# EAGLE board Mk4 Final Panel 6up 3x2 (EAGLE 9.0.1), part 9 of 18 (continued)
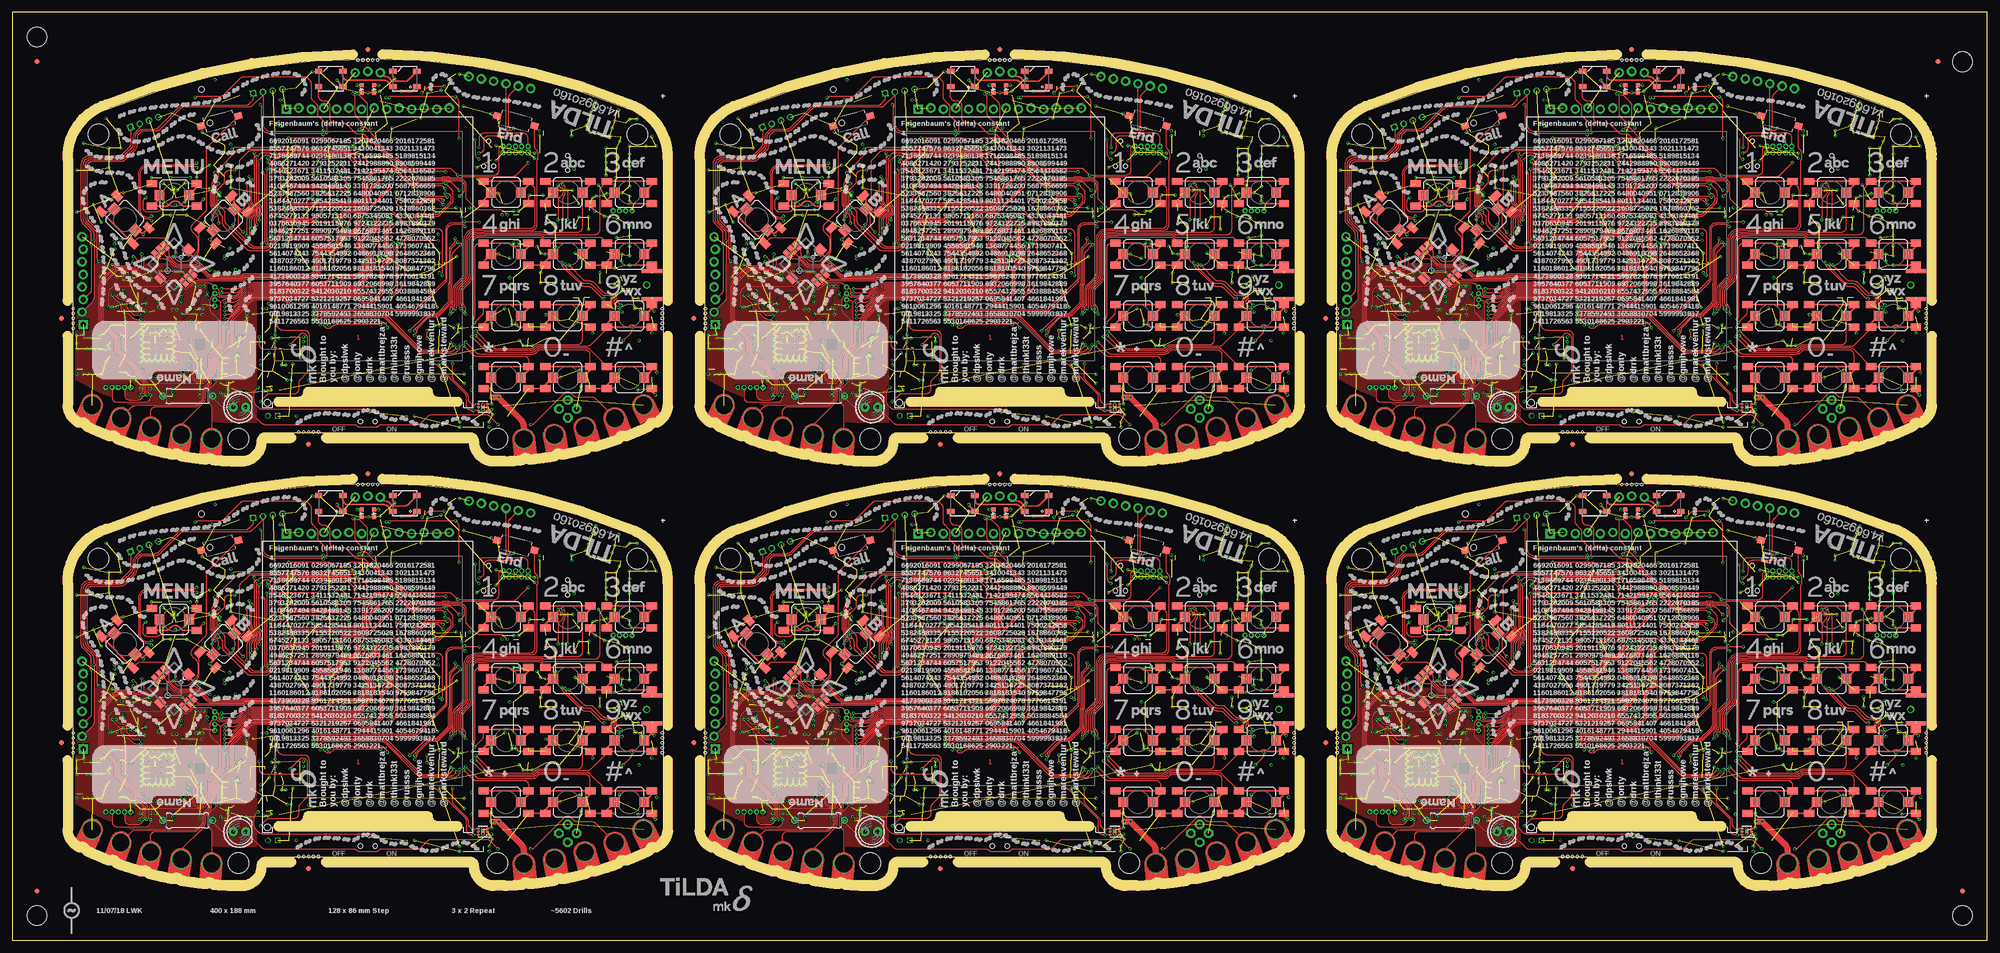
[diagram p0: board, top side]
## Tracks (layer width: path | path; a pad name or v marks a point on that pad's centre or on a via) (continued)
  pour Bottom (no thermals): 177.4,125 177.4,126.1 177.2,126.3 177.2,127.05 177,127.25 175.75,127.25 175.25,126.75 175.25,125.25 175.5,125
  pour Bottom (no thermals): 171.9,112.8 171.9,110.3 arc-90 171.4,109.8 170.45,109.8 arc-90 169.95,110.3 169.95,117.65 arc-90 170.45,118.15 171.55,118.15 arc-90 172.05,117.65 172.05,114.1 arc90 172.55,113.6 173.8,113.6 173.85,113.55 173.85,112.9 173.75,112.8
  pour Top (rank 6): 140.2,137 140.2,114 arc34 177,105 177.5,105 177.5,137
GND4  (via drill 0.3)  (433 unrouted)
  Top 0.15: IC88.3 352.3,22.65 352.25,22.6 IC88.2 | v351.3,21.5 IC88.PAD v351.3,22.5
  Top 0.2: 352.3,22.65 352.95,22.65 v353.05,22.75
  Top 0.3: S91.1 363.95,38.95 S91.A1 | S87.A1 351.45,38.95 S87.1 v353,39 | S88.A1 351.45,26 351.7,25.75 v353,25.75 S88.1 | S96.1 376.45,26.45 S96.A1 | S95.1 385.55,42.05 S95.A1 | 376.45,63.5 376.45,63.95 S93.1 v379.5,65.5 | 376.45,63.5 S93.A1 | S89.A1 363.95,63.95 S89.1 366,66 v367,66 | S85.A1 351.45,63.95 S85.1 354.25,65.5 v354.5,65.25 | S86.A1 351.45,51.45 S86.1 v354.5,53 | 363.95,51 363.95,51.45 S90.1 v364.05,53 | 363.95,51 S90.A1 | S85.A2 360.55,64.8 v360.75,65 | 376.2,63.25 376.45,63.5 | S94.A2 v381,50.75 | v379.5,53 S94.1 376.45,51.45 S94.A1 S90.A2 | 360.5,38.3 S87.A2 358.5,38.25 v358,38.75 | S91.1 365,41 | S96.A2 385.5,25.75 385.5,25.25 v386.25,24.5 | S92.A2 S96.A1 | v367,28 S92.1 363.95,26.45 S92.A1 S88.A2 | S86.A2 363.7,50.75 363.95,51 | S101.1 353.49,81.01 v353,81.5 | LED27.C v328.02,85.75 LED28.C | LED25.3 317.95,90 v316.75,90 | S93.A2 381.91,63.25 arc-45 381.21,63.54 v381,63.75 | 283.61,58.39 S98.A1 282.5,57.27 v282.5,57 281.62,57.88 S98.1 | S98.A2 277.57,65.21 arc-45 278.28,65.5 v278.5,65.5 | S96.A1 v378,25.75 | S89.A2 373.05,62.7 v374,61.75 | S91.1 365.25,40.75 v364,40.75 | S91.A2 373.5,37.8 v373.5,37 | S99.A2 v284.25,68.5 | S99.1 293.35,66.55 S99.A1 v293.35,68.5 | S100.1 294.5,78.72 v294.5,77.75 | S97.A1 296.81,55.19 v296,56 296.68,56.68 S97.1 | v302.5,60.5 303.61,61.61 S97.A2 | LED26.3 333.05,89.36 arc45 333.34,88.66 v333.4,88.6 | S95.A2 377.5,43.8 v377.5,44 | S95.A1 385.55,41.95 v386,41.5 | S95.A1 385.54,42.77 J49.G@4
  Top 0.4: S94.A2 385.54,50.73 J49.G@3
  GND@3 0.4: v290.45,40.85 287.8,38.2 v287.8,37.85 | v285.5,43.5 284.75,42.75 284.75,38.6 v285.5,37.85 | v283,43.1 283.75,42.35 283.75,38.4 v284.3,37.85
  Bottom 0.15: J41.32 324.75,50.25 | J41.31 325.25,50 | J41.30 325.75,50 | J41.29 326.25,50 | J41.28 326.75,50 | J41.27 327.25,50 | J41.26 327.75,50 | J41.25 328.25,50 | J41.24 328.75,50 | J41.23 329.25,50 | J41.22 329.75,50 | J41.21 330.25,50 | J41.20 330.75,50 | J41.19 331.25,50 | J41.18 331.75,50 | J41.17 332.25,50 | J41.16 332.75,50 | J41.15 333.25,50 | J41.14 333.75,50 | J41.13 334.25,50 | J41.12 334.75,50 | J41.11 335.25,50 | IC74.58 v321.6,68.8 | IC74.55 v321.6,67.6 | IC77.3 343.05,86 v342.85,86.2 | ANT10.3 374.79,83.9 v374.15,83.9 | v373.7,82.75 373.8,82.65 373.94,82.65 373.84,82.75 v373.7,82.75 | ANT10.2 374.05,82.4 v373.7,82.75 | ANT10.4 378.28,82.2 v378.75,82.2 | IC83.PAD v286.1,35.1 | IC83.PAD v284.9,35.1 | IC83.PAD v284.9,33.9 | IC83.PAD v286.1,33.9 | v284.9,36.3 285.5,36.9 v285.5,37.85 | v284.3,37.85 284.3,36.9 v283.7,36.3 283.75,36.35 | v287.3,36.3 287.3,37.35 v287.8,37.85 | v343.5,30.75 C534.2 344,31.5 arc90 344.5,32 344.5,32.5 arc90 344,33 IC86.2 343.46,33 arc45 343.1,32.85 342.9,32.65 arc-45 342.54,32.5 IC86.4 | C536.2 352.45,22.5 | v369.25,78 C485.2 | C488.2 v369.25,77 | C486.2 v362.75,78 | C484.2 v362.75,77 | v286.55,67.4 286.25,67.7 R389.2
  Bottom 0.2: C447.1 330.6,55.85 IC74.10 | IC74.17 327.8,56.01 arc-45 327.65,55.65 C446.1 v327.5,54.75 | IC74.48 319.46,64.8 arc-45 C444.1 | IC74.114 336.74,64.4 arc45 337.44,64.69 C443.1 | IC74.80 327.8,74.05 327.98,74.22 | X20.4 275.88,33.42 275.7,33.6 v274.9,33.6 | X20.2 277.73,29.07 v277.8,29 | IC85.23 343.8,38.75 arc-45 343.66,38.81 343.25,39.22 arc-90 343.25,39.25 | 343.25,39.25 v343.25,39.5 | IC85.24 343.25,39.25 | IC85.18 345,35.25 v344.75,35 | IC85.9 v349.25,38.25 | IC78.17 308.5,33.5 v308,33 IC78.18 | J44.GND4 379,28.05 | 352.45,22.5 arc45 v353.05,22.75 | v293.3,69.5 C538.2 | IC80.4 349.98,69.72 C503.1
  Bottom 0.25: J41.50 315.75,49.45 v316.25,49.95 | J41.49 v316.25,49.95 | J41.48 316.75,49.45 v316.25,49.95 | J41.43 319.25,50 | J41.6 v337.75,47.5 | v330,52.75 330,53.62 C448.1 330.25,54.12 C447.1 | v318,65.1 C444.1 | v338.25,64.75 C443.1 | v328,75 C445.1 327.98,74.22 | C442.1 C450.1 v329,76.45 | v317,69.25 R321.2 | C449.1 327.05,76.25 v327.65,75.65 | v337.5,20.25 S103.1 | v313.5,20.25 S104.1 | C453.1 v324.7,75 | C452.1 v320.1,75 | v333.5,76.45 C451.1 | R383.2 v287.25,27.75 | v289.35,65.95 IC82.PAD v288.8,65.5 | C468.2 300.88,27.23 | v347.45,83 C439.1 | v330.5,86 C437.1
  Bottom 0.3: 339.45,86.3 v340.15,85.6 | v294,39 R382.2 | v276.25,42.25 C511.1 | v278.5,43 278.62,42.88 C516.2 | v358.5,55.25 C494.2 | v357.5,55.25 C491.2 | v358.5,61.75 C490.2 | C492.2 v357.5,61.75 | IC75.8 362.1,54.65 v362.25,54.5 | R356.2 v356.75,52.25 | R348.2 v356.75,46.25 | R355.2 v356.75,48.25 | IC75.13 364.1,60.65 v364.25,60.5 | IC75.21 372.9,60.65 v372.75,60.5 | Q19.2 356.65,42.15 R346.2 v355.75,42 | C503.1 v350,70.5 | v354,72 353.91,72.09 JP37.5 | C496.1 v361.75,73.5 | IC81.7 355.19,61.81 R367.1 v355.25,61 | v363.5,65 C481.1 | v367,66 366.5,65.5 C480.1 | C479.1 v369.5,66 | J44.GND3 373.21,38.06 arc-45 373.5,37.36 v373.5,37 | 385.38,40.5 J44.GND2 385.5,40.59 arc-45 385.79,41.29 v386,41.5 | 386.17,38 J44.C4 385.79,37.74 arc45 385.5,37.04 v385.5,37 | v386.5,29 386.38,29 J44.GND1 | v371.25,26.25 R371.2 372.93,26.25 Q18.2 | C482.1 v382.75,25.5 | J44.C5 378.85,29.65 v379,29.5 379,28.05 | v371,29.5 371.23,29.27 372.25,29.27 J44.GND6 | C436.1 v338.25,59 | C441.1 v341,62.25 | C440.1 v341,63.5 | Q17.4 Q17.EP2 | C462.1 v313.5,54.25 | IC73.28 299.07,54.25 v300,54.25 | C458.1 v296,66.25 | IC73.46 300.2,68.7 v300.25,68.75 | C461.1 v296,71 | IC73.54 299.89,75.1 arc45 v300.25,75.25 | IC73.52 v300.25,73.5 | C460.1 v312.75,75.75 | C456.1 v313.5,73.5 | IC73.6 309.4,71.1 v309.25,71.25 | C457.1 v313.5,68.75 | C459.1 v313.5,64.75 | R331.1 v315,35.25 | R333.2 v315,36.25 | R335.2 310.15,41.5 arc45 v310.75,41.75 | v294,52 C477.1 | v294.75,52 294.75,51.5 C477.1 | v293.25,52 293.25,51.5 C477.1 | IC73.12 309.3,66.3 v309.25,66.25 | R375.2 v277.25,48.45 | R376.2 v278.25,48.45 | R363.2 v347,60.5 | v288.05,60.95 C509.2 | v370.75,60.5 370.7,60.55 IC75.19 370.7,63.2 v370.75,63.25 | R373.2 297.95,27.5 v298.2,27.75
  Bottom 0.3: IC85.25 v345.5,38 | v328.6,78.55 328.68,78.55 X18.4 | X18.2 332.82,78.55 v332.95,78.55 | v344.5,87.5 C454.1 | v346.6,89.5 R325.2 | C438.1 v338.75,80.5 | C495.1 v345.9,62.45 | J46.8 J46.4 | J48.8 J48.4 | IC73.41 298.05,64.7 v298,64.75 | J44.GND5 379.11,40.91 v379.5,41.3 378.94,41.3 arc-45 378.23,41.59 IC79.3 | IC75.33 375.3,46.95 v375,47.25 | v379.45,51.6 C497.1 | v378.7,46.5 D10.2 | v378.7,47.5 C498.1 | v273.75,36.75 C501.1 | v270.5,36.75 C502.1 | 294.55,42.8 C519.2 293.95,42.8 | IC89.2 v352.6,19 | C539.2 v346.6,18 | IC89.3 v352.6,18 | v375,49.25 375.1,49.15 IC75.31
  Bottom 0.35: v294.55,42 294.55,42.8 | v293.95,42 293.95,42.8
  Bottom 0.4: C521.2 290.1,40.5 v290.45,40.85 | v293.25,39.5 C515.2 | v294,37.75 C527.2 | C517.2 290.12,45.62 v290.25,45.5 | C517.2 v289.25,46.75 | v288,46.75 C518.2 C517.2 | C522.2 284.9,42.9 v285.5,43.5 285.4,43.4 | C520.2 v283,43.1 | v281.5,43.4 282.1,42.8 C514.2 | v296.5,34.25 C532.1 | v296.5,35.25 C533.1 | v294.25,30.75 C528.2 | C524.2 v292,33 | C510.1 v283.75,49.25 | C530.1 v278.95,33.5 | C526.2 v278.25,34.25 | C512.2 v278.25,35.25 | C531.1 v278.95,29 | R374.2 v280,27.5 | R377.2 v281,27.5 | R384.2 v282,25.75 | C529.2 v285,25.75 | C523.2 v284,25.75 | v294.5,40.75 C525.2 293.4,41.64 arc45 v293.25,42 | IC84.4 277.12,54.16 arc45 v276.75,54 | v294.25,28.75 R341.2 | v341.5,38.5 C455.1 | v306.25,30.5 306.85,30.5 C475.2 306.85,31.5 v306.25,31.5 | S102.2 327.4,21 v328.25,21 | Q17.EP2 342.4,49.35 v342.5,49.25 | v342.5,53.25 v342.5,53.24 IC76.4 | 304.75,40.75 C476.2 304.38,40.25 v303.5,40.25 | 304.62,41 v303.5,41 | C472.2 303.6,39.4 v303.5,39.5 | v303.25,37.25 303.25,36.33 C473.1 | 269,33.6 v269,33.75 ANT9.4 | ANT9.3 v269,28.75 | ANT9.2 270.25,29.7 v270.25,28.75 | C478.1 v294,25 | C478.1 293.5,25.75 v294,25.75 | C478.1 293.5,24.25 v294,24.25 | J47.4 296.94,83.81 v296.5,84.25 | C435.2 321.88,86.62 v321.75,86.75 | IC90.3 355.26,20.15 arc-45 354.56,20.44 C540.2 353.68,20.68 arc-45 v353.25,20.5 | TP93.TP 299.75,32.1 v299.6,31.95
  Bottom 0.5: v280.35,48.05 280.35,47.5 C513.2 279.35,47.5 v279.35,48.05
  Bottom 1: J42.1 349.05,26.8 C470.2 | C470.2 347.6,26.85 v347.5,26.75 | C470.2 v349,25.5 | v314.35,32 C471.2 312.65,30.85 v312.75,30.75
  other vias: 325.25,50.25 334.75,50.25 318.9,53.15 288.8,66.4 288.25,65.95 378.7,60.1 378.35,56.35 378,80 377.5,78.5 377,77 375.5,77 374,77.5 373,77.75 372.25,79 372.75,80.25 373.25,81.75 283.7,35.1 283.7,33.9 283.7,32.7 284.9,32.7 286.1,32.7 287.3,32.7 287.3,33.9 287.3,35.1 286.1,36.3 279,39.25 279,36.35 275,31.2 274.25,28.75 273.25,28.75 272.25,28.75 271.25,28.75 274,33.75 273,33.75 272,33.75 271.2,33.75 347,38 346.25,38.75 346.25,37.25 357.25,39.5 357.25,38.75 382,42 381,52.75 381,54.65 381,56.75 381,58.75 381,64.75 381,66.75 381,68.75 381,73.25 381,74.85 384.4,74.85 386.4,74.85 309.25,36 310,36 309.25,36.75 309.25,35.25 308.5,36 291.3,60.95 286.55,60.95 286.55,63.45 291.05,63.55 291.05,67.45 299.7,26.85 299.7,26.35 299.7,25.35 299.7,25.85 298.9,24.25 299.6,24.25 298.6,31.95 298.5,30.95 298.5,28.75 298.5,29.55 282.75,35.1 282.75,33.9 282.75,32.7 282.75,36.3 288.25,35.1 288.25,33.9 288.25,32.7 288.25,36.3 283.7,31.75 284.9,31.75 286.1,31.75 287.3,31.75 283.7,37.25 284.9,37.25 286.1,37.25 287.3,37.25 288.25,31.75 288.25,37.25 282.75,37.25 282.75,31.75 286.7,37.85 283.2,37.85 282.15,37.85 282.15,36.8 285.5,31.15 286.7,31.15 287.9,31.15 284.3,31.15 283.2,31.15 288.85,34.45 288.85,33.25 288.85,32.05 288.85,35.65 282.15,34.5 282.15,33.3 282.15,32.2 282.15,35.7 288.85,36.75 288.85,37.85 288.85,31.15 282.15,31.15 382.7,44 381.7,44 383.5,42 378,50.2 272.5,70 272.5,63 275.5,70.5 275.5,74.5 278,74.5 275,80.5 270.5,75.5 269,70 269,61.5 274,59.5 275.25,50.25 269,36.5 366,47.25 363,47.25 363,49.25 363,53.25 370,53.25 372.7,58.1 370,58.75 376,60.75 379.5,45.5 379.25,48.5 381,70.25 381,71.75 379,75.85 381,80.35 385.5,76.85 382.5,80.35 377.85,46.95 381,45.5 274.6,36.95 275.35,34.45 275.85,34.95 278,36.7 277,38.7 278,38.7 276.1,38.6 378.25,74.5 376.25,74.5 378.25,73 376.25,73 378.25,71.5 376.25,71.5 378.25,70 376.25,70 378.25,68.5 376.25,69 374.75,67 374.25,64.75 373.5,64.5 375.75,65 376.5,65.25 378,67 273.75,48.5 272,36.15 269,34.85 366,58.25 366,54.5 366,55.9
  pour GND@3 (isolate 0.254, rank 6): 268.2,74.5 268.2,21 arc31 300,12 302.7,12 arc90 305.5,14.8 arc-90 307.5,16.8 348.5,16.8 arc-90 350.5,14.8 arc90 353.3,12 356,12 arc31 387.8,21 387.8,44.5 381.5,44.5 381.5,74.5 387.8,74.5 arc64 381.25,82.25 arc24 328,92.5 arc24 274.75,82.25 arc55
  pour Bottom (rank 6): 335.25,48.9 335.25,50.25 335,50.5 325,50.5 324.75,50.25 324.75,48.9
  pour Bottom (isolate 0.254, rank 6): 268.2,74.5 268.2,28 arc9 279,23 279,35 281,35 281,41 279,41 279,43 arc90 278,44 277,44 arc-90 276,45 276,65.71 arc-90 288.79,78.5 296.5,78.5 300,82 358.5,81.5 arc-90 361,79 361,44.5 372.09,44.5 arc-45 372.79,44.21 375.21,41.79 arc45 375.91,41.5 387.8,41.5 387.8,44.5 381.5,44.5 381.5,74.5 387.8,74.5 arc64 381.25,82.25 arc24 328,92.5 arc24 274.75,82.25 arc55
  pour Bottom (rank 2, no thermals): 369.5,45 371,45 371,42.5 370.41,42.5 arc45 369.71,42.21 369.29,41.79 arc45 369,41.09 369,39 arc-90 368,38 357.5,38 arc-90 356.5,39 arc-90 357.5,40 365.75,40 arc90 366.75,41 366.75,41.09 arc-45 367.04,41.79 367.71,42.46 arc-45 368.41,42.75 368.59,42.75 arc45 369.29,43.04 369.5,43.25
  pour Bottom (no thermals): 319.5,51.5 319.5,50.2 319.3,50 319.2,50 319,50.2 319,51.25 318.5,51.75 318.5,53.3 318.7,53.5 319.05,53.5 319.25,53.3 319.25,51.75
  pour Bottom: 291.55,60.95 291.55,66.95 arc90 290.55,67.95 287.05,67.95 arc90 286.05,66.95 286.05,60.95 arc90 287.05,59.95 290.55,59.95 arc90
  pour Bottom (no thermals): 305.4,39 305.4,40.1 305.2,40.3 305.2,41.05 305,41.25 303.75,41.25 303.25,40.75 303.25,39.25 303.5,39
  pour Bottom (no thermals): 299.9,26.8 299.9,24.3 arc-90 299.4,23.8 298.45,23.8 arc-90 297.95,24.3 297.95,31.65 arc-90 298.45,32.15 299.55,32.15 arc-90 300.05,31.65 300.05,28.1 arc90 300.55,27.6 301.8,27.6 301.85,27.55 301.85,26.9 301.75,26.8
  pour Top (rank 6): 268.2,51 268.2,28 arc34 305,19 305.5,19 305.5,51
GND6  (via drill 0.3)  (433 unrouted)
  Top 0.15: IC124.3 352.3,108.65 352.25,108.6 IC124.2 | v351.3,107.5 IC124.PAD v351.3,108.5
  Top 0.2: 352.3,108.65 352.95,108.65 v353.05,108.75
  Top 0.3: S133.1 363.95,124.95 S133.A1 | S129.A1 351.45,124.95 S129.1 v353,125 | S130.A1 351.45,112 351.7,111.75 v353,111.75 S130.1 | S138.1 376.45,112.45 S138.A1 | S137.1 385.55,128.05 S137.A1 | 376.45,149.5 376.45,149.95 S135.1 v379.5,151.5 | 376.45,149.5 S135.A1 | S131.A1 363.95,149.95 S131.1 366,152 v367,152 | S127.A1 351.45,149.95 S127.1 354.25,151.5 v354.5,151.25 | S128.A1 351.45,137.45 S128.1 v354.5,139 | 363.95,137 363.95,137.45 S132.1 v364.05,139 | 363.95,137 S132.A1 | S127.A2 360.55,150.8 v360.75,151 | 376.2,149.25 376.45,149.5 | S136.A2 v381,136.75 | v379.5,139 S136.1 376.45,137.45 S136.A1 S132.A2 | 360.5,124.3 S129.A2 358.5,124.25 v358,124.75 | S133.1 365,127 | S138.A2 385.5,111.75 385.5,111.25 v386.25,110.5 | S134.A2 S138.A1 | v367,114 S134.1 363.95,112.45 S134.A1 S130.A2 | S128.A2 363.7,136.75 363.95,137 | S143.1 353.49,167.01 v353,167.5 | LED39.C v328.02,171.75 LED40.C | LED37.3 317.95,176 v316.75,176 | S135.A2 381.91,149.25 arc-45 381.21,149.54 v381,149.75 | 283.61,144.39 S140.A1 282.5,143.26 v282.5,143 281.62,143.88 S140.1 | S140.A2 277.57,151.21 arc-45 278.28,151.5 v278.5,151.5 | S138.A1 v378,111.75 | S131.A2 373.05,148.7 v374,147.75 | S133.1 365.25,126.75 v364,126.75 | S133.A2 373.5,123.8 v373.5,123 | S141.A2 v284.25,154.5 | S141.1 293.35,152.55 S141.A1 v293.35,154.5 | S142.1 294.5,164.72 v294.5,163.75 | S139.A1 296.81,141.19 v296,142 296.68,142.68 S139.1 | v302.5,146.5 303.61,147.61 S139.A2 | LED38.3 333.05,175.36 arc45 333.34,174.66 v333.4,174.6 | S137.A2 377.5,129.8 v377.5,130 | S137.A1 385.55,127.95 v386,127.5 | S137.A1 385.54,128.76 J69.G@4
  Top 0.4: S136.A2 385.54,136.74 J69.G@3
  GND@3 0.4: v290.45,126.85 287.8,124.2 v287.8,123.85 | v285.5,129.5 284.75,128.75 284.75,124.6 v285.5,123.85 | v283,129.1 283.75,128.35 283.75,124.4 v284.3,123.85
  Bottom 0.15: J61.32 324.75,136.25 | J61.31 325.25,136 | J61.30 325.75,136 | J61.29 326.25,136 | J61.28 326.75,136 | J61.27 327.25,136 | J61.26 327.75,136 | J61.25 328.25,136 | J61.24 328.75,136 | J61.23 329.25,136 | J61.22 329.75,136 | J61.21 330.25,136 | J61.20 330.75,136 | J61.19 331.25,136 | J61.18 331.75,136 | J61.17 332.25,136 | J61.16 332.75,136 | J61.15 333.25,136 | J61.14 333.75,136 | J61.13 334.25,136 | J61.12 334.75,136 | J61.11 335.25,136 | IC110.58 v321.6,154.8 | IC110.55 v321.6,153.6 | IC113.3 343.05,172 v342.85,172.2 | ANT14.3 374.79,169.9 v374.15,169.9 | v373.7,168.75 373.8,168.65 373.94,168.65 373.84,168.75 v373.7,168.75 | ANT14.2 374.05,168.4 v373.7,168.75 | ANT14.4 378.28,168.2 v378.75,168.2 | IC119.PAD v286.1,121.1 | IC119.PAD v284.9,121.1 | IC119.PAD v284.9,119.9 | IC119.PAD v286.1,119.9 | v284.9,122.3 285.5,122.9 v285.5,123.85 | v284.3,123.85 284.3,122.9 v283.7,122.3 283.75,122.35 | v287.3,122.3 287.3,123.35 v287.8,123.85 | v343.5,116.75 C750.2 344,117.5 arc90 344.5,118 344.5,118.5 arc90 344,119 IC122.2 343.46,119 arc45 343.1,118.85 342.9,118.65 arc-45 342.54,118.5 IC122.4 | C752.2 352.45,108.5 | v369.25,164 C701.2 | C704.2 v369.25,163 | C702.2 v362.75,164 | C700.2 v362.75,163 | v286.55,153.4 286.25,153.7 R545.2
  Bottom 0.2: C663.1 330.6,141.85 IC110.10 | IC110.17 327.8,142.01 arc-45 327.65,141.65 C662.1 v327.5,140.75 | IC110.48 319.46,150.8 arc-45 C660.1 | IC110.114 336.74,150.4 arc45 337.44,150.69 C659.1 | IC110.80 327.8,160.05 327.98,160.22 | X28.4 275.88,119.42 275.7,119.6 v274.9,119.6 | X28.2 277.73,115.08 v277.8,115 | IC121.23 343.8,124.75 arc-45 343.66,124.81 343.25,125.22 arc-90 343.25,125.25 | 343.25,125.25 v343.25,125.5 | IC121.24 343.25,125.25 | IC121.18 345,121.25 v344.75,121 | IC121.9 v349.25,124.25 | IC114.17 308.5,119.5 v308,119 IC114.18 | J64.GND4 379,114.05 | 352.45,108.5 arc45 v353.05,108.75 | v293.3,155.5 C754.2 | IC116.4 349.98,155.72 C719.1
  Bottom 0.25: J61.50 315.75,135.45 v316.25,135.95 | J61.49 v316.25,135.95 | J61.48 316.75,135.45 v316.25,135.95 | J61.43 319.25,136 | J61.6 v337.75,133.5 | v330,138.75 330,139.62 C664.1 330.25,140.12 C663.1 | v318,151.1 C660.1 | v338.25,150.75 C659.1 | v328,161 C661.1 327.98,160.22 | C658.1 C666.1 v329,162.45 | v317,155.25 R477.2 | C665.1 327.05,162.25 v327.65,161.65 | v337.5,106.25 S145.1 | v313.5,106.25 S146.1 | C669.1 v324.7,161 | C668.1 v320.1,161 | v333.5,162.45 C667.1 | R539.2 v287.25,113.75 | v289.35,151.95 IC118.PAD v288.8,151.5 | C684.2 300.88,113.22 | v347.45,169 C655.1 | v330.5,172 C653.1
  Bottom 0.3: 339.45,172.3 v340.15,171.6 | v294,125 R538.2 | v276.25,128.25 C727.1 | v278.5,129 278.62,128.88 C732.2 | v358.5,141.25 C710.2 | v357.5,141.25 C707.2 | v358.5,147.75 C706.2 | C708.2 v357.5,147.75 | IC111.8 362.1,140.65 v362.25,140.5 | R512.2 v356.75,138.25 | R504.2 v356.75,132.25 | R511.2 v356.75,134.25 | IC111.13 364.1,146.65 v364.25,146.5 | IC111.21 372.9,146.65 v372.75,146.5 | Q27.2 356.65,128.15 R502.2 v355.75,128 | C719.1 v350,156.5 | v354,158 353.91,158.09 JP55.5 | C712.1 v361.75,159.5 | IC117.7 355.19,147.81 R523.1 v355.25,147 | v363.5,151 C697.1 | v367,152 366.5,151.5 C696.1 | C695.1 v369.5,152 | J64.GND3 373.21,124.06 arc-45 373.5,123.36 v373.5,123 | 385.38,126.5 J64.GND2 385.5,126.59 arc-45 385.79,127.29 v386,127.5 | 386.17,124 J64.C4 385.79,123.74 arc45 385.5,123.04 v385.5,123 | v386.5,115 386.38,115 J64.GND1 | v371.25,112.25 R527.2 372.93,112.25 Q26.2 | C698.1 v382.75,111.5 | J64.C5 378.85,115.65 v379,115.5 379,114.05 | v371,115.5 371.23,115.27 372.25,115.27 J64.GND6 | C652.1 v338.25,145 | C657.1 v341,148.25 | C656.1 v341,149.5 | Q25.4 Q25.EP2 | C678.1 v313.5,140.25 | IC109.28 299.07,140.25 v300,140.25 | C674.1 v296,152.25 | IC109.46 300.2,154.7 v300.25,154.75 | C677.1 v296,157 | IC109.54 299.89,161.1 arc45 v300.25,161.25 | IC109.52 v300.25,159.5 | C676.1 v312.75,161.75 | C672.1 v313.5,159.5 | IC109.6 309.4,157.1 v309.25,157.25 | C673.1 v313.5,154.75 | C675.1 v313.5,150.75 | R487.1 v315,121.25 | R489.2 v315,122.25 | R491.2 310.15,127.5 arc45 v310.75,127.75 | v294,138 C693.1 | v294.75,138 294.75,137.5 C693.1 | v293.25,138 293.25,137.5 C693.1 | IC109.12 309.3,152.3 v309.25,152.25 | R531.2 v277.25,134.45 | R532.2 v278.25,134.45
  Bottom 0.3: R519.2 v347,146.5 | v288.05,146.95 C725.2 | v370.75,146.5 370.7,146.55 IC111.19 370.7,149.2 v370.75,149.25 | R529.2 297.95,113.5 v298.2,113.75 | IC121.25 v345.5,124 | v328.6,164.55 328.68,164.55 X26.4 | X26.2 332.82,164.55 v332.95,164.55 | v344.5,173.5 C670.1 | v346.6,175.5 R481.2 | C654.1 v338.75,166.5 | C711.1 v345.9,148.45 | J66.8 J66.4 | J68.8 J68.4 | IC109.41 298.05,150.7 v298,150.75 | J64.GND5 379.11,126.91 v379.5,127.3 378.94,127.3 arc-45 378.23,127.59 IC115.3 | IC111.33 375.3,132.95 v375,133.25 | v379.45,137.6 C713.1 | v378.7,132.5 D14.2 | v378.7,133.5 C714.1 | v273.75,122.75 C717.1 | v270.5,122.75 C718.1 | 294.55,128.8 C735.2 293.95,128.8 | IC125.2 v352.6,105 | C755.2 v346.6,104 | IC125.3 v352.6,104 | v375,135.25 375.1,135.15 IC111.31
  Bottom 0.35: v294.55,128 294.55,128.8 | v293.95,128 293.95,128.8
  Bottom 0.4: C737.2 290.1,126.5 v290.45,126.85 | v293.25,125.5 C731.2 | v294,123.75 C743.2 | C733.2 290.12,131.62 v290.25,131.5 | C733.2 v289.25,132.75 | v288,132.75 C734.2 C733.2 | C738.2 284.9,128.9 v285.5,129.5 285.4,129.4 | C736.2 v283,129.1 | v281.5,129.4 282.1,128.8 C730.2 | v296.5,120.25 C748.1 | v296.5,121.25 C749.1 | v294.25,116.75 C744.2 | C740.2 v292,119 | C726.1 v283.75,135.25 | C746.1 v278.95,119.5 | C742.2 v278.25,120.25 | C728.2 v278.25,121.25 | C747.1 v278.95,115 | R530.2 v280,113.5 | R533.2 v281,113.5 | R540.2 v282,111.75 | C745.2 v285,111.75 | C739.2 v284,111.75 | v294.5,126.75 C741.2 293.4,127.64 arc45 v293.25,128 | IC120.4 277.12,140.16 arc45 v276.75,140 | v294.25,114.75 R497.2 | v341.5,124.5 C671.1 | v306.25,116.5 306.85,116.5 C691.2 306.85,117.5 v306.25,117.5 | S144.2 327.4,107 v328.25,107 | Q25.EP2 342.4,135.35 v342.5,135.25 | v342.5,139.25 IC112.4 | 304.75,126.75 C692.2 304.38,126.25 v303.5,126.25 | 304.62,127 v303.5,127 | C688.2 303.6,125.4 v303.5,125.5 | v303.25,123.25 303.25,122.33 C689.1 | 269,119.6 v269,119.75 ANT13.4 | ANT13.3 v269,114.75 | ANT13.2 270.25,115.7 v270.25,114.75 | C694.1 v294,111 | C694.1 293.5,111.75 v294,111.75 | C694.1 293.5,110.25 v294,110.25 | J67.4 296.94,169.81 v296.5,170.25 | C651.2 321.88,172.62 v321.75,172.75 | IC126.3 355.26,106.15 arc-45 354.56,106.44 C756.2 353.68,106.68 arc-45 v353.25,106.5 | TP131.TP 299.75,118.1 v299.6,117.95
  Bottom 0.5: v280.35,134.05 280.35,133.5 C729.2 279.35,133.5 v279.35,134.05
  Bottom 1: J62.1 349.05,112.8 C686.2 | C686.2 347.6,112.85 v347.5,112.75 | C686.2 v349,111.5 | v314.35,118 C687.2 312.65,116.85 v312.75,116.75
  other vias: 325.25,136.25 334.75,136.25 318.9,139.15 288.8,152.4 288.25,151.95 378.7,146.1 378.35,142.35 378,166 377.5,164.5 377,163 375.5,163 374,163.5 373,163.75 372.25,165 372.75,166.25 373.25,167.75 283.7,121.1 283.7,119.9 283.7,118.7 284.9,118.7 286.1,118.7 287.3,118.7 287.3,119.9 287.3,121.1 286.1,122.3 279,125.25 279,122.35 275,117.2 274.25,114.75 273.25,114.75 272.25,114.75 271.25,114.75 274,119.75 273,119.75 272,119.75 271.2,119.75 347,124 346.25,124.75 346.25,123.25 357.25,125.5 357.25,124.75 382,128 381,138.75 381,140.65 381,142.75 381,144.75 381,150.75 381,152.75 381,154.75 381,159.25 381,160.85 384.4,160.85 386.4,160.85 309.25,122 310,122 309.25,122.75 309.25,121.25 308.5,122 291.3,146.95 286.55,146.95 286.55,149.45 291.05,149.55 291.05,153.45 299.7,112.85 299.7,112.35 299.7,111.35 299.7,111.85 298.9,110.25 299.6,110.25 298.6,117.95 298.5,116.95 298.5,114.75 298.5,115.55 282.75,121.1 282.75,119.9 282.75,118.7 282.75,122.3 288.25,121.1 288.25,119.9 288.25,118.7 288.25,122.3 283.7,117.75 284.9,117.75 286.1,117.75 287.3,117.75 283.7,123.25 284.9,123.25 286.1,123.25 287.3,123.25 288.25,117.75 288.25,123.25 282.75,123.25 282.75,117.75 286.7,123.85 283.2,123.85 282.15,123.85 282.15,122.8 285.5,117.15 286.7,117.15 287.9,117.15 284.3,117.15 283.2,117.15 288.85,120.45 288.85,119.25 288.85,118.05 288.85,121.65 282.15,120.5 282.15,119.3 282.15,118.2 282.15,121.7 288.85,122.75 288.85,123.85 288.85,117.15 282.15,117.15 382.7,130 381.7,130 383.5,128 378,136.2 272.5,156 272.5,149 275.5,156.5 275.5,160.5 278,160.5 275,166.5 270.5,161.5 269,156 269,147.5 274,145.5 275.25,136.25 269,122.5 366,133.25 363,133.25 363,135.25 363,139.25 370,139.25 372.7,144.1 370,144.75 376,146.75 379.5,131.5 379.25,134.5 381,156.25 381,157.75 379,161.85 381,166.35 385.5,162.85 382.5,166.35 377.85,132.95 381,131.5 274.6,122.95 275.35,120.45 275.85,120.95 278,122.7 277,124.7 278,124.7 276.1,124.6 378.25,160.5 376.25,160.5 378.25,159 376.25,159 378.25,157.5 376.25,157.5 378.25,156 376.25,156 378.25,154.5 376.25,155 374.75,153 374.25,150.75 373.5,150.5 375.75,151 376.5,151.25 378,153 273.75,134.5 272,122.15 269,120.85 366,144.25 366,140.5 366,141.9
  pour GND@3 (isolate 0.254, rank 6): 268.2,160.5 268.2,107 arc31 300,98 302.7,98 arc90 305.5,100.8 arc-90 307.5,102.8 348.5,102.8 arc-90 350.5,100.8 arc90 353.3,98 356,98 arc31 387.8,107 387.8,130.5 381.5,130.5 381.5,160.5 387.8,160.5 arc64 381.25,168.25 arc24 328,178.5 arc24 274.75,168.25 arc55
  pour Bottom (rank 6): 335.25,134.9 335.25,136.25 335,136.5 325,136.5 324.75,136.25 324.75,134.9
  pour Bottom (isolate 0.254, rank 6): 268.2,160.5 268.2,114 arc9 279,109 279,121 281,121 281,127 279,127 279,129 arc90 278,130 277,130 arc-90 276,131 276,151.71 arc-90 288.79,164.5 296.5,164.5 300,168 358.5,167.5 arc-90 361,165 361,130.5 372.09,130.5 arc-45 372.79,130.21 375.21,127.79 arc45 375.91,127.5 387.8,127.5 387.8,130.5 381.5,130.5 381.5,160.5 387.8,160.5 arc64 381.25,168.25 arc24 328,178.5 arc24 274.75,168.25 arc55
  pour Bottom (rank 2, no thermals): 369.5,131 371,131 371,128.5 370.41,128.5 arc45 369.71,128.21 369.29,127.79 arc45 369,127.09 369,125 arc-90 368,124 357.5,124 arc-90 356.5,125 arc-90 357.5,126 365.75,126 arc90 366.75,127 366.75,127.09 arc-45 367.04,127.79 367.71,128.46 arc-45 368.41,128.75 368.59,128.75 arc45 369.29,129.04 369.5,129.25
  pour Bottom (no thermals): 319.5,137.5 319.5,136.2 319.3,136 319.2,136 319,136.2 319,137.25 318.5,137.75 318.5,139.3 318.7,139.5 319.05,139.5 319.25,139.3 319.25,137.75
  pour Bottom: 291.55,146.95 291.55,152.95 arc90 290.55,153.95 287.05,153.95 arc90 286.05,152.95 286.05,146.95 arc90 287.05,145.95 290.55,145.95 arc90
  pour Bottom (no thermals): 305.4,125 305.4,126.1 305.2,126.3 305.2,127.05 305,127.25 303.75,127.25 303.25,126.75 303.25,125.25 303.5,125